# KiCad board RadCheck-SDRAM.kicad_pcb (continued)
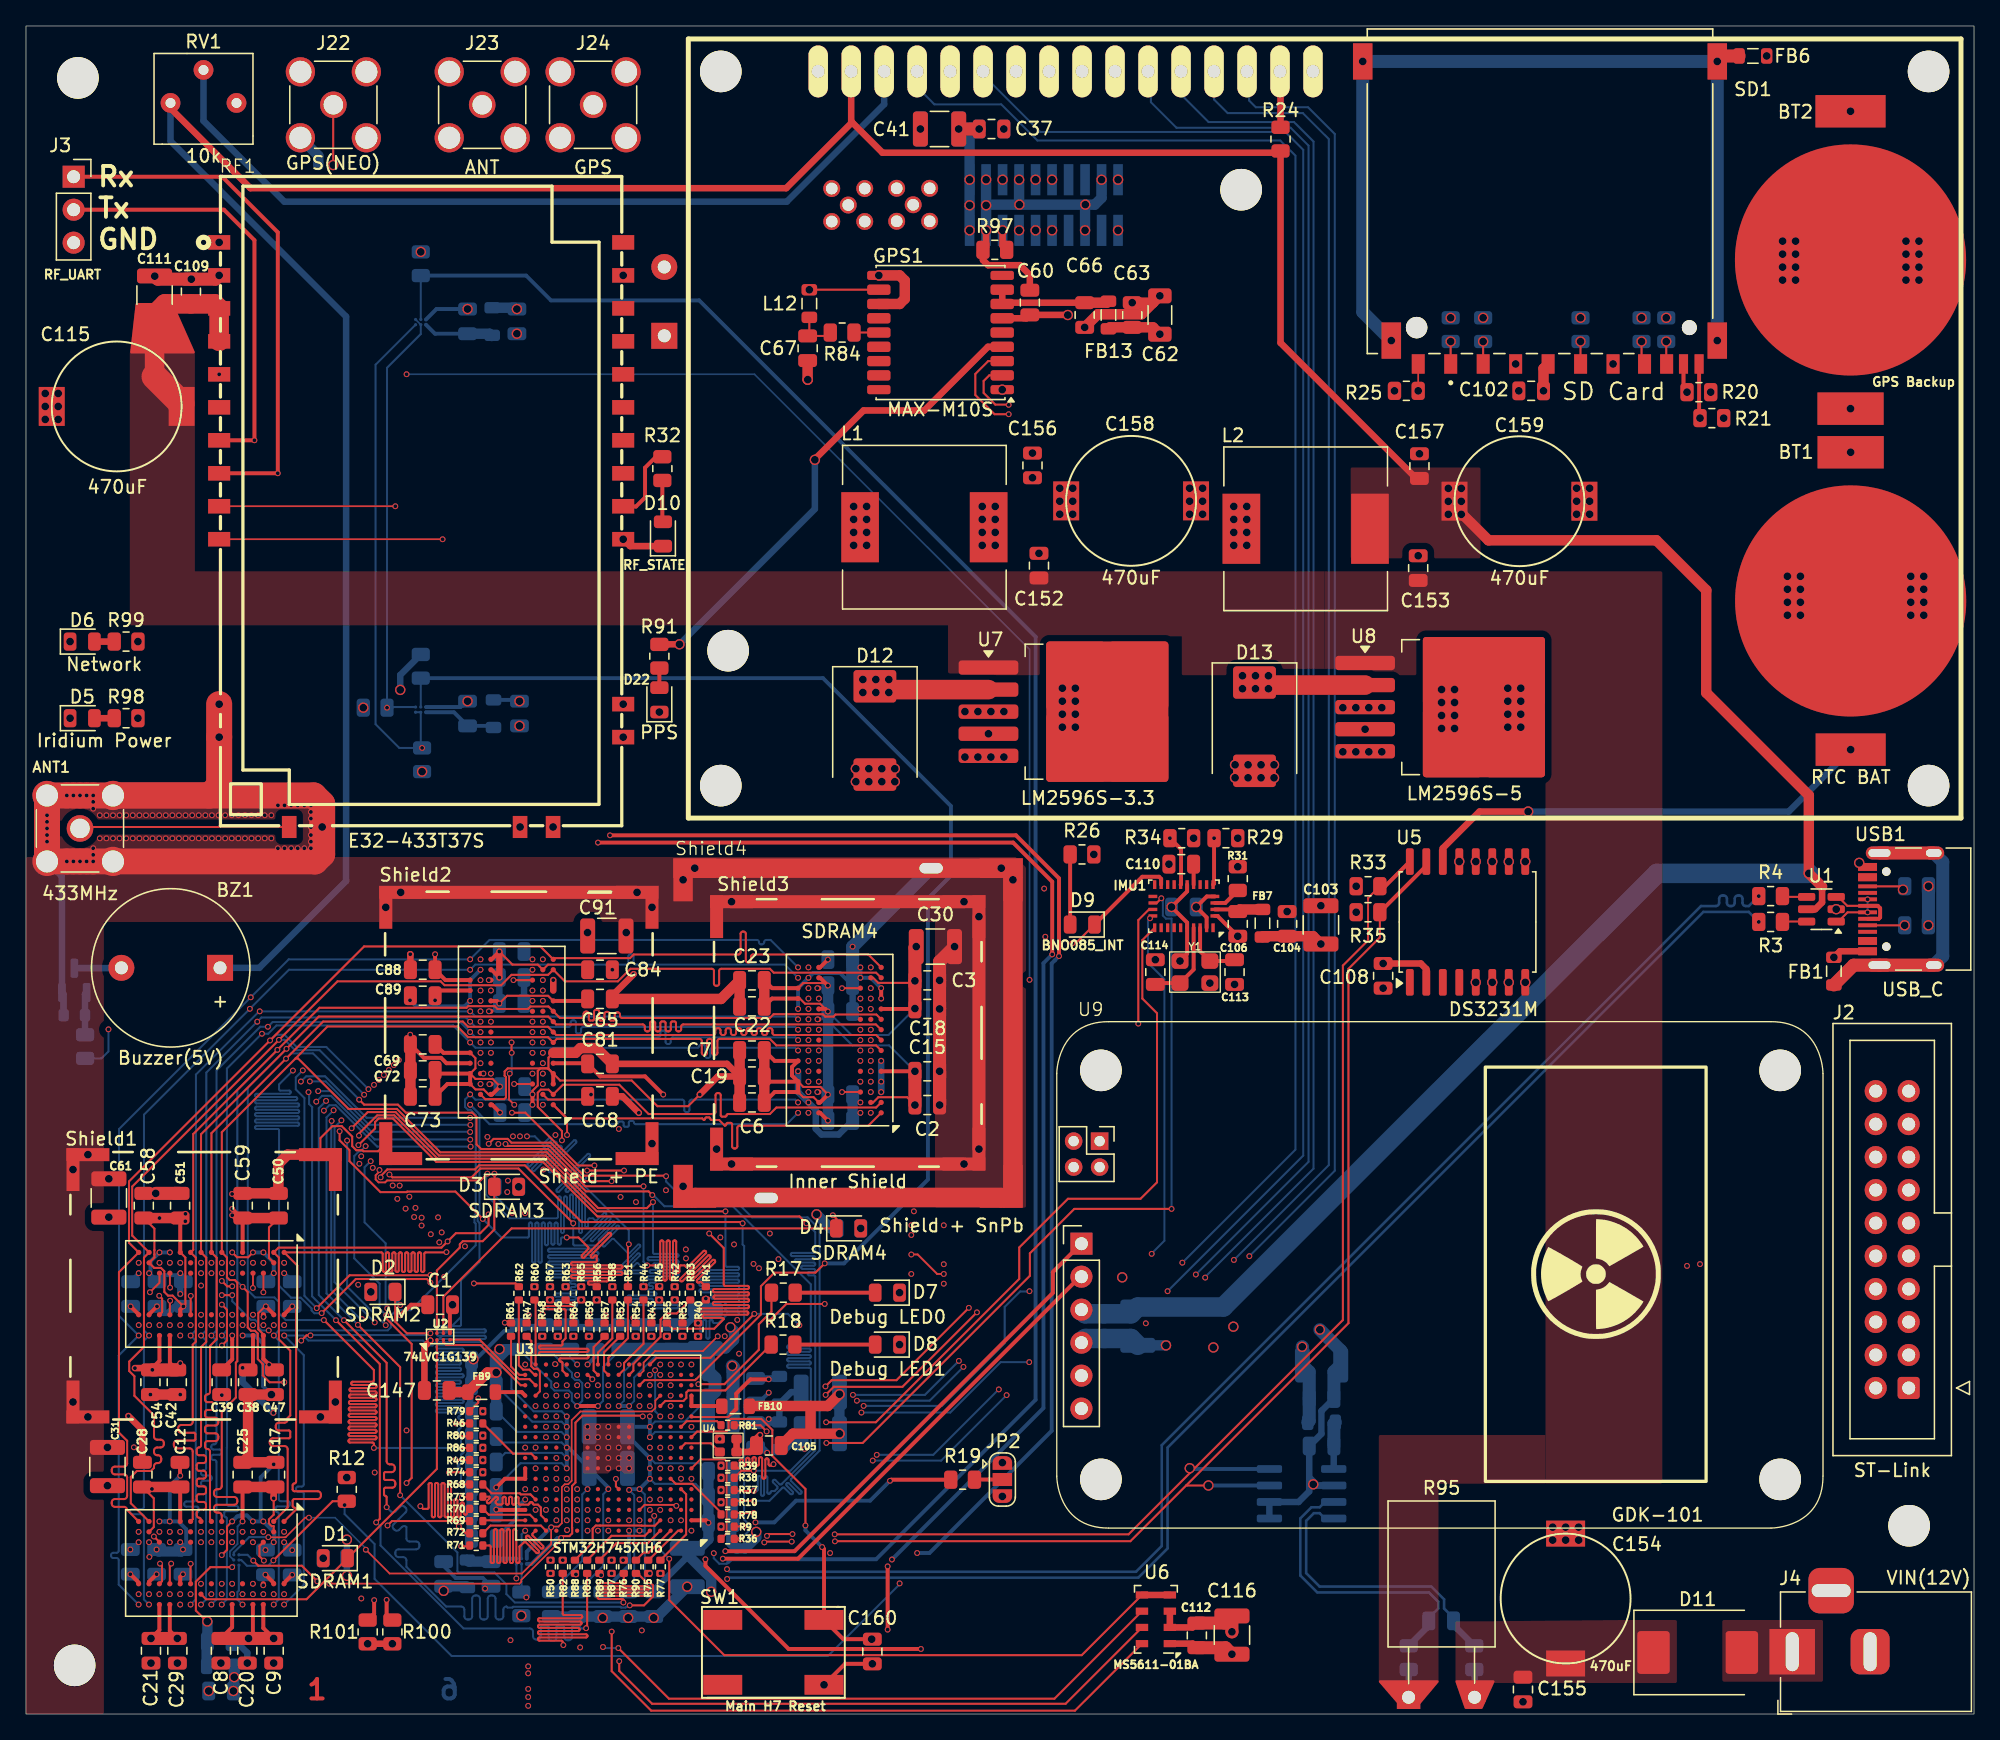
[diagram p0: board, top side]
## Routing (per net, layer and track width the routed paths; a pad name or vN(x,y) marks a point on that pad's centre or on a via; arc(x,y) is an arc through that point) (continued)
SDRAM_D22: length 162.1
  Top w0.157: SDRAM2.C7 18.28,30.59 v1(18.29,30.58) ; v1(27.84,14.52) 28.18,14.86 R69.2
  In3.Cu w0.142: v1(27.84,14.52) 27.24,15.12 27.24,15.37 arc(27.27,15.44) 27.33,15.46 27.37,15.46 arc(27.44,15.49) 27.47,15.56 27.47,15.6 arc(27.44,15.67) 27.37,15.7 25.9,15.7 arc(25.84,15.72) 25.81,15.79 25.81,15.84 arc(25.84,15.9) 25.9,15.93 27.15,15.93 arc(27.21,15.96) 27.24,16.02 27.24,16.07 arc(27.21,16.13) 27.15,16.16 25.4,16.16 arc(25.34,16.19) 25.31,16.25 25.31,16.3 arc(25.34,16.37) 25.4,16.39 27.82,16.39 arc(27.89,16.42) 27.92,16.49 27.92,16.53 arc(27.89,16.6) 27.82,16.63 25.35,16.63 arc(25.29,16.65) 25.26,16.72 25.26,16.77 arc(25.29,16.83) 25.35,16.86 27.82,16.86 arc(27.89,16.89) 27.92,16.95 27.92,17 arc(27.89,17.06) 27.82,17.09 25.35,17.09 arc(25.29,17.12) 25.26,17.18 25.26,17.23 arc(25.29,17.3) 25.35,17.32 27.82,17.32 arc(27.89,17.35) 27.92,17.42 27.92,17.46 arc(27.89,17.53) 27.82,17.56 25.35,17.56 arc(25.29,17.58) 25.26,17.65 25.26,17.7 arc(25.29,17.76) 25.35,17.79 27.82,17.79 arc(27.89,17.82) 27.92,17.88 27.92,17.93 arc(27.89,17.99) 27.82,18.02 27.1,18.02 arc(27.04,18.05) 27.01,18.11 27.01,18.16 arc(27.04,18.23) 27.1,18.25 27.82,18.25 arc(27.89,18.28) 27.92,18.35 27.92,18.39 arc(27.89,18.46) 27.82,18.49 27.33,18.49 arc(27.27,18.51) 27.24,18.58 27.24,18.63 arc(27.27,18.69) 27.33,18.72 27.82,18.72 arc(27.89,18.75) 27.92,18.81 27.92,18.86 arc(27.89,18.92) 27.82,18.95 27.1,18.95 arc(27.04,18.98) 27.01,19.04 27.01,19.09 arc(27.04,19.16) 27.1,19.18 27.82,19.18 arc(27.89,19.21) 27.92,19.28 27.92,19.32 arc(27.89,19.39) 27.82,19.42 26.55,19.42 arc(26.49,19.44) 26.46,19.51 26.46,19.56 arc(26.49,19.62) 26.55,19.65 27.82,19.65 arc(27.89,19.68) 27.92,19.74 27.92,19.79 arc(27.89,19.85) 27.82,19.88 26.95,19.88 arc(26.89,19.91) 26.86,19.97 26.86,20.02 arc(26.89,20.09) 26.95,20.11 27.82,20.11 arc(27.89,20.14) 27.92,20.21 27.92,20.25 arc(27.89,20.32) 27.82,20.35 27.33,20.35 arc(27.27,20.37) 27.24,20.44 27.24,20.49 arc(27.27,20.55) 27.33,20.58 27.82,20.58 arc(27.89,20.61) 27.92,20.67 27.92,20.72 arc(27.89,20.78) 27.82,20.81 27.1,20.81 arc(27.04,20.84) 27.01,20.9 27.01,20.95 arc(27.04,21.02) 27.1,21.04 27.82,21.04 arc(27.89,21.07) 27.92,21.14 27.92,21.18 arc(27.89,21.25) 27.82,21.28 26.55,21.28 arc(26.49,21.3) 26.46,21.37 26.46,21.42 arc(26.49,21.48) 26.55,21.51 27.82,21.51 arc(27.89,21.54) 27.92,21.6 27.92,21.65 arc(27.89,21.71) 27.82,21.74 26.55,21.74 arc(26.49,21.77) 26.46,21.83 26.46,21.88 arc(26.49,21.95) 26.55,21.97 27.82,21.97 arc(27.89,22) 27.92,22.07 27.92,22.11 arc(27.89,22.18) 27.82,22.21 26.55,22.21 arc(26.49,22.23) 26.46,22.3 26.46,22.35 arc(26.49,22.41) 26.55,22.44 27.82,22.44 arc(27.89,22.47) 27.92,22.53 27.92,22.58 arc(27.89,22.64) 27.82,22.67 26.55,22.67 arc(26.49,22.7) 26.46,22.76 26.46,22.81 arc(26.49,22.88) 26.55,22.9 27.82,22.9 arc(27.89,22.93) 27.92,23 27.92,23.04 arc(27.89,23.11) 27.82,23.14 26.55,23.14 arc(26.49,23.16) 26.46,23.23 26.46,23.28 arc(26.49,23.34) 26.55,23.37 27.82,23.37 arc(27.89,23.4) 27.92,23.46 27.92,23.51 arc(27.89,23.57) 27.82,23.6 26.55,23.6 arc(26.49,23.63) 26.46,23.69 26.46,23.74 arc(26.49,23.81) 26.55,23.83 27.15,23.83 arc(27.21,23.86) 27.24,23.93 27.24,39.48 ; 27.24,39.48 18.34,30.58 v1(18.29,30.58) 17.89,30.18 17.89,18.53 arc(17.93,18.42) 18.05,18.37 19.51,18.37 arc(19.62,18.32) 19.67,18.21 19.67,18.13 arc(19.62,18.02) 19.51,17.97 17.72,17.97 arc(17.61,17.92) 17.56,17.81 17.56,17.73 arc(17.61,17.62) 17.72,17.57 17.73,17.57 arc(17.84,17.52) 17.89,17.41 17.89,10.3 v1(18.27,9.91) ; 27.24,39.48 27.57,39.81 27.57,40.58 33.81,46.83 33.81,47.08 34.06,47.33 34.51,47.33 v1(35.69,48.51) 36.26,47.93 36.71,47.93 36.91,48.13 40.76,48.13 40.92,48.29 46.5,48.29 arc(46.62,48.34) 46.66,48.45 46.66,48.59 arc(46.71,48.7) 46.82,48.75 46.9,48.75 arc(47.02,48.7) 47.06,48.59 47.06,47 arc(47.11,46.88) 47.22,46.84 47.3,46.84 arc(47.42,46.88) 47.46,47 47.46,48.13 arc(47.51,48.25) 47.62,48.29 60.54,48.29 v1(60.94,47.9)
SDRAM_D23: length 159.2
  Top w0.157: v1(30.37,16.01) 30.58,15.8 30.91,15.8 arc(30.98,15.83) 31.01,15.9 31.01,17.69 arc(31.03,17.76) 31.1,17.79 31.15,17.79 arc(31.22,17.76) 31.25,17.69 31.25,15.26 arc(31.28,15.19) 31.35,15.16 31.4,15.16 arc(31.47,15.19) 31.5,15.26 31.5,17.69 arc(31.53,17.76) 31.6,17.79 31.65,17.79 arc(31.72,17.76) 31.74,17.69 31.74,15.26 arc(31.77,15.19) 31.84,15.16 31.89,15.16 arc(31.96,15.19) 31.99,15.26 31.99,17.69 arc(32.02,17.76) 32.09,17.79 32.14,17.79 arc(32.21,17.76) 32.24,17.69 32.24,15.26 arc(32.27,15.19) 32.34,15.16 32.39,15.16 arc(32.46,15.19) 32.48,15.26 32.48,17.69 arc(32.51,17.76) 32.58,17.79 32.63,17.79 arc(32.7,17.76) 32.73,17.69 32.73,15.26 arc(32.76,15.19) 32.83,15.16 32.88,15.16 arc(32.95,15.19) 32.98,15.26 32.98,16.44 arc(33.01,16.51) 33.08,16.54 33.13,16.54 arc(33.19,16.51) 33.22,16.44 33.22,15.26 arc(33.25,15.19) 33.32,15.16 33.37,15.16 arc(33.44,15.19) 33.47,15.26 33.47,16.19 arc(33.5,16.26) 33.57,16.29 33.62,16.29 arc(33.69,16.26) 33.72,16.19 33.72,15.46 arc(33.75,15.39) 33.82,15.36 33.86,15.36 arc(33.93,15.39) 33.96,15.46 33.96,15.7 arc(33.99,15.77) 34.06,15.8
  In3.Cu w0.142: v1(32.01,37.09) 30.27,35.35 30.27,33.32 arc(30.24,33.26) 30.18,33.23 30.07,33.23 arc(30,33.2) 29.97,33.14 29.97,33.09 arc(30,33.03) 30.07,33 30.42,33 arc(30.49,32.97) 30.52,32.91 30.52,32.86 arc(30.49,32.79) 30.42,32.77 30.07,32.77 arc(30,32.74) 29.97,32.67 29.97,32.63 arc(30,32.56) 30.07,32.53 30.42,32.53 arc(30.49,32.51) 30.52,32.44 30.52,32.39 arc(30.49,32.33) 30.42,32.3 30.07,32.3 arc(30,32.27) 29.97,32.21 29.97,32.16 arc(30,32.1) 30.07,32.07 30.42,32.07 arc(30.49,32.04) 30.52,31.98 30.52,31.93 arc(30.49,31.86) 30.42,31.84 30.07,31.84 arc(30,31.81) 29.97,31.74 29.97,31.7 arc(30,31.63) 30.07,31.6 30.42,31.6 arc(30.49,31.58) 30.52,31.51 30.52,31.46 arc(30.49,31.4) 30.42,31.37 30.07,31.37 arc(30,31.34) 29.97,31.28 29.97,31.23 arc(30,31.17) 30.07,31.14 30.42,31.14 arc(30.49,31.11) 30.52,31.05 30.52,31 arc(30.49,30.93) 30.42,30.91 30.07,30.91 arc(30,30.88) 29.97,30.81 29.97,30.77 arc(30,30.7) 30.07,30.67 30.42,30.67 arc(30.49,30.65) 30.52,30.58 30.52,30.53 arc(30.49,30.47) 30.42,30.44 30.07,30.44 arc(30,30.41) 29.97,30.35 29.97,30.3 arc(30,30.24) 30.07,30.21 30.42,30.21 arc(30.49,30.18) 30.52,30.12 30.52,30.07 arc(30.49,30) 30.42,29.98 30.07,29.98 arc(30,29.95) 29.97,29.88 29.97,29.84 arc(30,29.77) 30.07,29.74 30.42,29.74 arc(30.49,29.72) 30.52,29.65 30.52,29.6 arc(30.49,29.54) 30.42,29.51 30.07,29.51 arc(30,29.48) 29.97,29.42 29.97,29.37 arc(30,29.31) 30.07,29.28 30.42,29.28 arc(30.49,29.25) 30.52,29.19 30.52,29.14 arc(30.49,29.07) 30.42,29.05 30.07,29.05 arc(30,29.02) 29.97,28.95 29.97,28.91 arc(30,28.84) 30.07,28.81 30.42,28.81 arc(30.49,28.79) 30.52,28.72 30.52,28.67 arc(30.49,28.61) 30.42,28.58 30.07,28.58 arc(30,28.55) 29.97,28.49 29.97,28.44 arc(30,28.38) 30.07,28.35 30.42,28.35 arc(30.49,28.32) 30.52,28.26 30.52,28.21 arc(30.49,28.14) 30.42,28.12 30.07,28.12 arc(30,28.09) 29.97,28.02 29.97,27.98 arc(30,27.91) 30.07,27.88 30.42,27.88 arc(30.49,27.86) 30.52,27.79 30.52,27.74 arc(30.49,27.68) 30.42,27.65 30.07,27.65 arc(30,27.62) 29.97,27.56 29.97,27.51 arc(30,27.45) 30.07,27.42 30.42,27.42 arc(30.49,27.39) 30.52,27.33 30.52,27.28 arc(30.49,27.21) 30.42,27.19 30.07,27.19 arc(30,27.16) 29.97,27.09 29.97,27.05 arc(30,26.98) 30.07,26.95 30.42,26.95 arc(30.49,26.93) 30.52,26.86 30.52,26.81 arc(30.49,26.75) 30.42,26.72 30.07,26.72 arc(30,26.69) 29.97,26.63 29.97,26.58 arc(30,26.52) 30.07,26.49 30.42,26.49 arc(30.49,26.46) 30.52,26.4 30.52,26.35 arc(30.49,26.28) 30.42,26.26 30.07,26.26 arc(30,26.23) 29.97,26.16 29.97,26.12 arc(30,26.05) 30.07,26.02 30.42,26.02 arc(30.49,26) 30.52,25.93 30.52,25.88 arc(30.49,25.82) 30.42,25.79 30.07,25.79 arc(30,25.76) 29.97,25.7 29.97,25.65 arc(30,25.59) 30.07,25.56 30.42,25.56 arc(30.49,25.53) 30.52,25.47 30.52,25.42 arc(30.49,25.35) 30.42,25.33 30.07,25.33 arc(30,25.3) 29.97,25.23 29.97,25.19 arc(30,25.12) 30.07,25.09 30.42,25.09 arc(30.49,25.07) 30.52,25 30.52,24.95 arc(30.49,24.89) 30.42,24.86 30.07,24.86 arc(30,24.83) 29.97,24.77 29.97,24.72 arc(30,24.66) 30.07,24.63 30.42,24.63 arc(30.49,24.6) 30.52,24.54 30.52,24.49 arc(30.49,24.42) 30.42,24.4 30.07,24.4 arc(30,24.37) 29.97,24.3 29.97,24.26 arc(30,24.19) 30.07,24.16 30.42,24.16 arc(30.49,24.14) 30.52,24.07 30.52,24.02 arc(30.49,23.96) 30.42,23.93 30.07,23.93 arc(30,23.9) 29.97,23.84 29.97,23.79 arc(30,23.73) 30.07,23.7 30.42,23.7 arc(30.49,23.67) 30.52,23.61 30.52,23.56 arc(30.49,23.49) 30.42,23.47 30.07,23.47 arc(30,23.44) 29.97,23.37 29.97,23.33 arc(30,23.26) 30.07,23.23 30.42,23.23 arc(30.49,23.21) 30.52,23.14 30.52,23.09 arc(30.49,23.03) 30.42,23 30.07,23 arc(30,22.97) 29.97,22.91 29.97,22.86 arc(30,22.8) 30.07,22.77 30.42,22.77 arc(30.49,22.74) 30.52,22.68 30.52,22.63 arc(30.49,22.56) 30.42,22.54 30.07,22.54 arc(30,22.51) 29.97,22.44 29.97,22.4 arc(30,22.33) 30.07,22.3 30.42,22.3 arc(30.49,22.28) 30.52,22.21 30.52,22.16 arc(30.49,22.1) 30.42,22.07 30.07,22.07 arc(30,22.04) 29.97,21.98 29.97,21.93 arc(30,21.87) 30.07,21.84 30.42,21.84 arc(30.49,21.81) 30.52,21.75 30.52,21.7 arc(30.49,21.63) 30.42,21.61 30.07,21.61 arc(30,21.58) 29.97,21.51 29.97,21.47 arc(30,21.4) 30.07,21.37 30.42,21.37 arc(30.49,21.35) 30.52,21.28 30.52,21.23 arc(30.49,21.17) 30.42,21.14 30.07,21.14 arc(30,21.11) 29.97,21.05 29.97,21 arc(30,20.94) 30.07,20.91 30.42,20.91 arc(30.49,20.88) 30.52,20.82 30.52,20.77 arc(30.49,20.7) 30.42,20.68 30.07,20.68 arc(30,20.65) 29.97,20.58 29.97,20.54 arc(30,20.47) 30.07,20.44 30.42,20.44 arc(30.49,20.42) 30.52,20.35 30.52,20.3 arc(30.49,20.24) 30.42,20.21 30.07,20.21 arc(30,20.18) 29.97,20.12 29.97,20.07 arc(30,20.01) 30.07,19.98 30.42,19.98 arc(30.49,19.95) 30.52,19.89 30.52,19.84 arc(30.49,19.77) 30.42,19.75 30.07,19.75 arc(30,19.72) 29.97,19.65 29.97,19.61 arc(30,19.54) 30.07,19.51 30.42,19.51 arc(30.49,19.49) 30.52,19.42 30.52,19.37 arc(30.49,19.31) 30.42,19.28 30.07,19.28 arc(30,19.25) 29.97,19.19 29.97,19.14 arc(30,19.08) 30.07,19.05 30.42,19.05 arc(30.49,19.02) 30.52,18.96 30.52,18.91 arc(30.49,18.84) 30.42,18.82 30.07,18.82 arc(30,18.79) 29.97,18.72 29.97,18.68 arc(30,18.61) 30.07,18.58 30.42,18.58 arc(30.49,18.56) 30.52,18.49 30.52,18.44 arc(30.49,18.38) 30.42,18.35 30.07,18.35 arc(30,18.32) 29.97,18.26 29.97,18.21 arc(30,18.15) 30.07,18.12 30.42,18.12 arc(30.49,18.09) 30.52,18.03 30.52,17.98 arc(30.49,17.91) 30.42,17.89 30.07,17.89 arc(30,17.86) 29.97,17.79 29.97,17.75 arc(30,17.68) 30.07,17.65 30.42,17.65 arc(30.49,17.63) 30.52,17.56 30.52,17.51 arc(30.49,17.45) 30.42,17.42 30.36,17.42 arc(30.3,17.39) 30.27,17.33 30.27,17.28 arc(30.3,17.22) 30.36,17.19 30.42,17.19 arc(30.49,17.16) 30.52,17.1 30.52,17.05 arc(30.49,16.98) 30.42,16.96 30.36,16.96 arc(30.3,16.93) 30.27,16.86 30.27,16.82 arc(30.3,16.75) 30.36,16.72 30.42,16.72 arc(30.49,16.7) 30.52,16.63 30.52,16.58 arc(30.49,16.52) 30.42,16.49 30.36,16.49 arc(30.3,16.46) 30.27,16.4 30.27,16.11 v1(30.37,16.01)
  In4.Cu w0.129: v1(19.87,9.23) 19.49,9.61 19.49,16.84 arc(19.45,16.95) 19.33,17 18.46,17 arc(18.35,17.04) 18.3,17.16 18.3,17.24 arc(18.35,17.35) 18.46,17.4 19.33,17.4 arc(19.45,17.44) 19.49,17.56 19.49,29.56 v1(19.88,29.95) 24.87,29.95 v1(32.01,37.09) 35,40.08 v1(35,46.92) 36,45.92 52.5,45.92 arc(52.61,45.87) 52.66,45.76 52.66,45.16 arc(52.71,45.04) 52.82,45 52.9,45 arc(53.01,45.04) 53.06,45.16 53.06,45.76 arc(53.11,45.87) 53.22,45.92 59.87,45.92 v1(60.25,46.3)
SDRAM_D24: length 140.5
  Top w0.157: v1(33.51,12.91) 34.09,12.91
  In1.Cu w0.127: v1(65.05,46.3) 64.67,46.68 60.37,46.68 ; 53.22,46.68 40.04,46.68 v1(39.8,46.92) 39.8,44.3 v1(31.82,36.32) 30.25,34.75 v1(19.88,34.75) 19.47,34.34 19.47,22.03 ; v1(19.87,14.03) 19.47,14.44 19.47,15.21
  In1.Cu w0.129: 60.37,46.68 57.79,46.68 arc(57.68,46.63) 57.63,46.52 57.63,44.87 arc(57.58,44.76) 57.47,44.71 57.39,44.71 arc(57.28,44.76) 57.23,44.87 57.23,47.84 arc(57.18,47.95) 57.07,48 56.99,48 arc(56.88,47.95) 56.83,47.84 56.83,46.84 arc(56.78,46.73) 56.67,46.68 54.34,46.68 arc(54.23,46.63) 54.18,46.52 54.18,45.31 arc(54.13,45.2) 54.02,45.15 53.94,45.15 arc(53.83,45.2) 53.78,45.31 53.78,45.72 arc(53.73,45.83) 53.62,45.88 51.97,45.88 arc(51.86,45.93) 51.81,46.04 51.81,46.12 arc(51.86,46.23) 51.97,46.28 55.59,46.28 arc(55.7,46.33) 55.75,46.44 55.75,46.52 arc(55.7,46.63) 55.59,46.68 53.94,46.68 arc(53.83,46.73) 53.78,46.84 53.78,47.4 arc(53.73,47.51) 53.62,47.56 53.54,47.56 arc(53.43,47.51) 53.38,47.4 53.38,46.84 arc(53.33,46.73) 53.22,46.68 ; 19.47,22.03 19.47,16.89 arc(19.54,16.72) 19.71,16.65 20.86,16.65 arc(21.03,16.58) 21.1,16.41 21.1,16.29 arc(21.03,16.12) 20.86,16.05 20.31,16.05 arc(20.14,16.12) 20.07,16.29 20.07,16.75 arc(20,16.92) 19.83,16.99 19.71,16.99 arc(19.54,16.92) 19.47,16.75 19.47,16.29 arc(19.4,16.12) 19.23,16.05 18.73,16.05 arc(18.56,15.98) 18.49,15.81 18.49,15.69 arc(18.56,15.52) 18.73,15.45 19.23,15.45 arc(19.4,15.38) 19.47,15.21
  In3.Cu w0.142: v1(31.82,36.32) 31.66,36.16 arc(31.63,36.09) 31.66,36.03 31.67,36.02 arc(31.7,35.95) 31.67,35.89 31.64,35.85 arc(31.57,35.83) 31.5,35.85 31.49,35.86 arc(31.43,35.89) 31.36,35.86 30.75,35.25 arc(30.78,35.19) 30.85,35.16 31.26,35.16 arc(31.33,35.13) 31.35,35.07 31.35,35.02 arc(31.33,34.96) 31.26,34.93 30.6,34.93 arc(30.53,34.9) 30.5,34.84 30.5,34.79 arc(30.53,34.72) 30.6,34.7 30.66,34.7 arc(30.73,34.67) 30.75,34.6 30.75,34.56 arc(30.73,34.49) 30.66,34.46 30.6,34.46 arc(30.53,34.44) 30.5,34.37 30.5,34.32 arc(30.53,34.26) 30.6,34.23 30.66,34.23 arc(30.73,34.2) 30.75,34.14 30.75,34.09 arc(30.73,34.03) 30.66,34 30.6,34 arc(30.53,33.97) 30.5,33.91 30.5,33.86 arc(30.53,33.79) 30.6,33.77 30.66,33.77 arc(30.73,33.74) 30.75,33.67 30.75,33.63 arc(30.73,33.56) 30.66,33.53 30.6,33.53 arc(30.53,33.51) 30.5,33.44 30.5,33.39 arc(30.53,33.33) 30.6,33.3 30.66,33.3 arc(30.73,33.27) 30.75,33.21 30.75,32.88 arc(30.78,32.81) 30.85,32.79 30.86,32.79 arc(30.93,32.76) 30.95,32.69 30.95,32.65 arc(30.93,32.58) 30.86,32.55 30.85,32.55 arc(30.78,32.53) 30.75,32.46 30.75,20.21 arc(30.78,20.14) 30.85,20.11 31.16,20.11 arc(31.23,20.09) 31.25,20.02 31.25,19.97 arc(31.23,19.91) 31.16,19.88 30.85,19.88 arc(30.78,19.85) 30.75,19.79 30.75,19.74 arc(30.78,19.68) 30.85,19.65 31.16,19.65 arc(31.23,19.62) 31.25,19.56 31.25,19.51 arc(31.23,19.44) 31.16,19.42 30.85,19.42 arc(30.78,19.39) 30.75,19.32 30.75,19.28 arc(30.78,19.21) 30.85,19.18 31.16,19.18 arc(31.23,19.16) 31.25,19.09 31.25,19.04 arc(31.23,18.98) 31.16,18.95 30.85,18.95 arc(30.78,18.92) 30.75,18.86 30.75,18.81 arc(30.78,18.75) 30.85,18.72 31.16,18.72 arc(31.23,18.69) 31.25,18.63 31.25,18.58 arc(31.23,18.51) 31.16,18.49 30.85,18.49 arc(30.78,18.46) 30.75,18.39 30.75,18.35 arc(30.78,18.28) 30.85,18.25 31.11,18.25 arc(31.18,18.23) 31.2,18.16 31.2,18.11 arc(31.18,18.05) 31.11,18.02 30.85,18.02 arc(30.78,17.99) 30.75,17.93 30.75,15.9 arc(30.78,15.84) 30.85,15.81 31.11,15.81 arc(31.18,15.78) 31.2,15.72 31.2,15.67 arc(31.18,15.61) 31.11,15.58 30.85,15.58 arc(30.78,15.55) 30.75,15.49 31.05,15.19 arc(31.12,15.16) 31.18,15.19 31.44,15.45 arc(31.51,15.47) 31.57,15.45 31.6,15.41 arc(31.63,15.35) 31.6,15.28 31.35,15.02 arc(31.32,14.96) 31.35,14.89 31.38,14.86 arc(31.45,14.83) 31.51,14.86 31.88,15.22 arc(31.94,15.25) 32.01,15.22 32.04,15.19 arc(32.07,15.12) 32.04,15.06 31.68,14.7 arc(31.65,14.63) 31.68,14.56 31.71,14.53 arc(31.77,14.5) 31.84,14.53 33.12,15.81 arc(33.19,15.84) 33.25,15.81 33.29,15.78 arc(33.31,15.71) 33.29,15.65 32.01,14.37 arc(31.98,14.3) 32.01,14.23 32.04,14.2 arc(32.1,14.17) 32.17,14.2 33.45,15.48 arc(33.52,15.51) 33.58,15.48 33.62,15.45 arc(33.64,15.39) 33.62,15.32 32.33,14.04 arc(32.31,13.97) 32.33,13.91 33.33,12.91 v1(33.51,12.91)
SDRAM_D25: length 179.4
  Top w0.142: SDRAM2.C3 v1(18.28,32.48)
  Top w0.157: v1(18.32,11.81) 17.97,12.16 17.97,12.93 SDRAM1.C3 ; v1(33.33,14.45) 33.86,13.92 R72.2 ; v1(62.83,47.9) 62.84,47.9 SDRAM4.C3 ; SDRAM3.C3 v1(37.58,48.52)
  In1.Cu w0.127: v1(40.77,44.59) 38.78,42.6 38.78,40.66 34.14,36.02 v1(33.8,36.02) 31.97,34.19 26.71,34.19 v1(25.58,33.06)
  In2.Cu w0.127: 58.8,48.28 40.9,48.28 40.76,48.14 37.96,48.14 v1(37.58,48.52) 37.58,47.78 v1(40.77,44.59) ; v1(33.8,36.02) 35.2,34.62 35.2,33.89 arc(35.17,33.83) 35.11,33.8 33.33,33.8 arc(33.27,33.78) 33.24,33.72 33.24,33.67 arc(33.27,33.61) 33.33,33.59 37.07,33.59 arc(37.13,33.56) 37.15,33.5 37.15,33.46 arc(37.13,33.4) 37.07,33.37 35.03,33.37 arc(34.97,33.34) 34.94,33.28 34.94,33.24 arc(34.97,33.18) 35.03,33.15 37.07,33.15 arc(37.13,33.13) 37.15,33.07 37.15,33.02 arc(37.13,32.96) 37.07,32.94 34.88,32.94 arc(34.82,32.91) 34.79,32.85 34.79,32.81 arc(34.82,32.75) 34.88,32.72 37.07,32.72 arc(37.13,32.7) 37.15,32.63 37.15,32.59 arc(37.13,32.53) 37.07,32.5 33.33,32.5 arc(33.27,32.48) 33.24,32.42 33.24,32.37 arc(33.27,32.31) 33.33,32.29 37.07,32.29 arc(37.13,32.26) 37.15,32.2 37.15,32.16 arc(37.13,32.1) 37.07,32.07 33.38,32.07 arc(33.32,32.05) 33.29,31.98 33.29,31.94 arc(33.32,31.88) 33.38,31.85 37.07,31.85 arc(37.13,31.83) 37.15,31.77 37.15,31.72 arc(37.13,31.66) 37.07,31.64 33.53,31.64 arc(33.47,31.61) 33.44,31.55 33.44,31.51 arc(33.47,31.45) 33.53,31.42 37.07,31.42 arc(37.13,31.4) 37.15,31.34 37.15,31.29 arc(37.13,31.23) 37.07,31.21 33.43,31.21 arc(33.37,31.18) 33.34,31.12 33.34,31.08 arc(33.37,31.01) 33.43,30.99 37.07,30.99 arc(37.13,30.96) 37.15,30.9 37.15,30.86 arc(37.13,30.8) 37.07,30.77 33.38,30.77 arc(33.32,30.75) 33.29,30.69 33.29,30.64 arc(33.32,30.58) 33.38,30.56 36.42,30.56 arc(36.48,30.53) 36.5,30.47 36.5,30.43 arc(36.48,30.36) 36.42,30.34 33.93,30.34 arc(33.87,30.31) 33.84,30.25 33.84,30.21 arc(33.87,30.15) 33.93,30.12 35.11,30.12 arc(35.17,30.1) 35.2,30.04 35.2,23.87 33.94,22.62 33.94,15.07 v1(33.33,14.45) ; v1(25.58,33.06) 24.3,31.78 18.98,31.78 v1(18.28,32.48) 17.88,32.08 17.88,24.26 ; 62.76,47.98 v1(62.83,47.9) ; v1(18.32,11.81) 17.88,12.25 17.88,20.07
  In2.Cu w0.129: 17.88,24.26 17.88,23.93 arc(17.83,23.82) 17.72,23.77 17.49,23.77 arc(17.38,23.73) 17.33,23.61 17.33,23.53 arc(17.38,23.42) 17.49,23.37 18.47,23.37 arc(18.58,23.33) 18.63,23.21 18.63,23.13 arc(18.58,23.02) 18.47,22.97 17.49,22.97 arc(17.38,22.93) 17.33,22.81 17.33,22.73 arc(17.38,22.62) 17.49,22.57 19.72,22.57 arc(19.83,22.53) 19.88,22.41 19.88,22.33 arc(19.83,22.22) 19.72,22.17 17.78,22.17 arc(17.71,22.14) 17.68,22.07 17.68,21.87 arc(17.71,21.8) 17.78,21.77 19.72,21.77 arc(19.83,21.73) 19.88,21.61 19.88,21.53 arc(19.83,21.42) 19.72,21.37 17.78,21.37 arc(17.71,21.34) 17.68,21.27 17.68,21.07 arc(17.71,21) 17.78,20.97 arc(17.85,20.94) 17.88,20.87 17.88,20.78 arc(17.84,20.67) 17.73,20.62 arc(17.62,20.58) 17.57,20.47 17.57,20.38 arc(17.62,20.27) 17.73,20.22 arc(17.84,20.18) 17.88,20.07 ; 62.76,47.98 62.45,48.28 62.12,48.28 arc(62.01,48.33) 61.96,48.44 61.96,48.67 arc(61.92,48.78) 61.8,48.83 61.72,48.83 arc(61.61,48.78) 61.56,48.67 61.56,48.44 arc(61.52,48.33) 61.4,48.28 59.48,48.28 arc(59.38,48.32) 59.34,48.42 arc(59.3,48.52) 59.2,48.56 59.08,48.56 arc(58.98,48.52) 58.94,48.42 arc(58.9,48.32) 58.8,48.28
SDRAM_D26: length 172.3
  Top w0.157: SDRAM1.A1 20.8,15.76 arc(20.76,15.85) 20.67,15.89 arc(20.57,15.93) 20.53,16.02 20.53,16.42 arc(20.57,16.52) 20.67,16.56 22.47,16.56 arc(22.64,16.63) 22.71,16.8 22.71,16.92 arc(22.64,17.09) 22.47,17.16 20.67,17.16 arc(20.57,17.2) 20.53,17.29 20.53,17.62 arc(20.57,17.72) 20.67,17.76 arc(20.76,17.8) 20.8,17.89 20.8,31.14 20.9,31.23 20.9,34.53 SDRAM2.A1 27.37,35.55 arc(27.44,35.52) 27.47,35.45 27.47,34.15 arc(27.5,34.08) 27.57,34.05 27.61,34.05 arc(27.68,34.08) 27.71,34.15 27.71,35.45 arc(27.74,35.52) 27.81,35.55 27.86,35.55 arc(27.93,35.52) 27.96,35.45 27.96,34.15 arc(27.99,34.08) 28.06,34.05 28.11,34.05 arc(28.18,34.08) 28.21,34.15 28.21,35.45 arc(28.24,35.52) 28.31,35.55 28.35,35.55 arc(28.42,35.52) 28.45,35.45 28.45,34.15 arc(28.48,34.08) 28.55,34.05 28.6,34.05 arc(28.67,34.08) 28.7,34.15 28.7,35.45 arc(28.73,35.52) 28.8,35.55 28.85,35.55 arc(28.92,35.52) 28.95,35.45 28.95,34.15 arc(28.97,34.08) 29.04,34.05 29.09,34.05 arc(29.16,34.08) 29.19,34.15 29.19,35.45 arc(29.22,35.52) 29.29,35.55 29.34,35.55 arc(29.41,35.52) 29.44,35.45 29.44,34.15 arc(29.47,34.08) 29.54,34.05 29.59,34.05 arc(29.66,34.08) 29.69,34.15 29.69,35.45 arc(29.71,35.52) 29.78,35.55 29.83,35.55 arc(29.9,35.52) 29.93,35.45 29.93,34.15 arc(29.96,34.08) 30.03,34.05 30.08,34.05 arc(30.15,34.08) 30.18,34.15 30.18,35.45 arc(30.21,35.52) 30.28,35.55 30.33,35.55 arc(30.4,35.52) 30.42,35.45 30.42,34.15 arc(30.45,34.08) 30.52,34.05 30.57,34.05 arc(30.64,34.08) 30.67,34.15 30.67,35.45 arc(30.7,35.52) 30.77,35.55 32.35,35.55 v1(32.38,35.57) ; v1(41.66,44.59) 41.66,45.86 SDRAM3.A1 41.65,45.87 52.07,45.87 52.19,45.75 arc(52.26,45.78) 52.29,45.85 arc(52.32,45.92) 52.39,45.95 52.59,45.95 arc(52.66,45.92) 52.69,45.85 arc(52.72,45.78) 52.79,45.75 53.37,45.75 53.81,45.31 arc(53.89,45.34) 53.92,45.42 arc(53.95,45.49) 54.03,45.53 54.26,45.53 arc(54.34,45.49) 54.37,45.42 54.37,43.72 arc(54.42,43.6) 54.53,43.56 54.61,43.56 arc(54.73,43.6) 54.77,43.72 54.77,45.15 arc(54.82,45.26) 54.93,45.31 64.86,45.31 SDRAM4.A1 ; v1(33.56,16.7) 34.12,16.7
  In1.Cu w0.127: v1(41.66,44.59) 41.65,44.58 41.65,41.78 v1(38.43,38.57)
  In3.Cu w0.142: 33.56,16.64 33.38,16.82 arc(33.32,16.84) 33.25,16.82 31.97,15.53 arc(31.9,15.51) 31.84,15.53 31.81,15.57 arc(31.78,15.63) 31.81,15.7 33.3,17.19 arc(33.33,17.26) 33.3,17.32 33.27,17.36 arc(33.2,17.38) 33.14,17.36 31.64,15.86 arc(31.58,15.83) 31.51,15.86 31.48,15.89 arc(31.45,15.96) 31.48,16.03 33.08,17.63 arc(33.11,17.69) 33.08,17.76 33.04,17.79 arc(32.98,17.82) 32.91,17.79 31.31,16.19 arc(31.25,16.16) 31.18,16.19 31.15,16.22 arc(31.12,16.29) 31.15,16.35 32.82,18.03 arc(32.85,18.09) 32.82,18.16 32.79,18.19 arc(32.72,18.22) 32.66,18.19 31.2,16.73 arc(31.13,16.7) 31.06,16.73 31.03,16.76 arc(31,16.83) 31.03,16.9 32.31,18.18 arc(32.34,18.24) 32.31,18.31 32.28,18.34 arc(32.22,18.37) 32.15,18.34 31.19,17.38 arc(31.12,17.35) 31.05,17.38 31.02,17.41 arc(30.99,17.48) 31.02,17.54 31.77,18.3 arc(31.8,18.36) 31.77,18.43 31.53,18.67 31.53,20.43 arc(31.51,20.49) 31.44,20.52 31.13,20.52 arc(31.06,20.55) 31.03,20.61 31.03,20.66 arc(31.06,20.73) 31.13,20.75 31.44,20.75 arc(31.51,20.78) 31.53,20.85 31.53,20.89 arc(31.51,20.96) 31.44,20.99 31.13,20.99 arc(31.06,21.01) 31.03,21.08 31.03,21.12 arc(31.06,21.19) 31.13,21.22 31.44,21.22 arc(31.51,21.24) 31.53,21.31 31.53,21.36 arc(31.51,21.42) 31.44,21.45 31.13,21.45 arc(31.06,21.48) 31.03,21.54 31.03,21.59 arc(31.06,21.66) 31.13,21.68 31.44,21.68 arc(31.51,21.71) 31.53,21.78 31.53,21.82 arc(31.51,21.89) 31.44,21.92 31.13,21.92 arc(31.06,21.94) 31.03,22.01 31.03,22.05 arc(31.06,22.12) 31.13,22.15 31.44,22.15 arc(31.51,22.17) 31.53,22.24 31.53,22.29 arc(31.51,22.35) 31.44,22.38 31.13,22.38 arc(31.06,22.41) 31.03,22.47 31.03,22.52 arc(31.06,22.59) 31.13,22.61 31.44,22.61 arc(31.51,22.64) 31.53,22.71 31.53,22.75 arc(31.51,22.82) 31.44,22.85 31.13,22.85 arc(31.06,22.87) 31.03,22.94 31.03,22.98 arc(31.06,23.05) 31.13,23.08 31.44,23.08 arc(31.51,23.1) 31.53,23.17 31.53,23.22 arc(31.51,23.28) 31.44,23.31 31.13,23.31 arc(31.06,23.34) 31.03,23.4 31.03,23.45 arc(31.06,23.52) 31.13,23.54 31.44,23.54 arc(31.51,23.57) 31.53,23.64 31.53,23.68 arc(31.51,23.75) 31.44,23.78 31.13,23.78 arc(31.06,23.8) 31.03,23.87 31.03,23.91 arc(31.06,23.98) 31.13,24.01 31.44,24.01 arc(31.51,24.03) 31.53,24.1 31.53,24.15 arc(31.51,24.21) 31.44,24.24 31.13,24.24 arc(31.06,24.27) 31.03,24.33 31.03,24.38 arc(31.06,24.45) 31.13,24.47 31.44,24.47 arc(31.51,24.5) 31.53,24.57 31.53,24.61 arc(31.51,24.68) 31.44,24.71 31.13,24.71 arc(31.06,24.73) 31.03,24.8 31.03,24.84 arc(31.06,24.91) 31.13,24.94 31.44,24.94 arc(31.51,24.96) 31.53,25.03 31.53,25.08 arc(31.51,25.14) 31.44,25.17 31.13,25.17 arc(31.06,25.2) 31.03,25.26 31.03,25.31 arc(31.06,25.38) 31.13,25.4 31.44,25.4 arc(31.51,25.43) 31.53,25.5 31.53,25.54 arc(31.51,25.61) 31.44,25.64 31.13,25.64 arc(31.06,25.66) 31.03,25.73 31.03,25.77 arc(31.06,25.84) 31.13,25.87 31.44,25.87 arc(31.51,25.89) 31.53,25.96 31.53,26.01 arc(31.51,26.07) 31.44,26.1 31.13,26.1 arc(31.06,26.13) 31.03,26.19 31.03,26.24 arc(31.06,26.31) 31.13,26.33 31.44,26.33 arc(31.51,26.36) 31.53,26.43 31.53,26.47 arc(31.51,26.54) 31.44,26.57 31.13,26.57 arc(31.06,26.59) 31.03,26.66 31.03,26.7 arc(31.06,26.77) 31.13,26.8 31.44,26.8 arc(31.51,26.82) 31.53,26.89 31.53,26.94 arc(31.51,27) 31.44,27.03 31.13,27.03 arc(31.06,27.06) 31.03,27.12 31.03,27.17 arc(31.06,27.24) 31.13,27.26 31.44,27.26 arc(31.51,27.29) 31.53,27.36 31.53,27.4 arc(31.51,27.47) 31.44,27.5 31.13,27.5 arc(31.06,27.52) 31.03,27.59 31.03,27.63 arc(31.06,27.7) 31.13,27.73 31.44,27.73 arc(31.51,27.75) 31.53,27.82 31.53,27.87 arc(31.51,27.93) 31.44,27.96 31.13,27.96 arc(31.06,27.99) 31.03,28.05 31.03,28.1 arc(31.06,28.17) 31.13,28.19 31.44,28.19 arc(31.51,28.22) 31.53,28.29 31.53,29.74 arc(31.51,29.81) 31.44,29.84 31.13,29.84 arc(31.06,29.86) 31.03,29.93 31.03,29.98 arc(31.06,30.04) 31.13,30.07 31.44,30.07 arc(31.51,30.1) 31.53,30.16 31.53,30.21 arc(31.51,30.28) 31.44,30.3 31.13,30.3 arc(31.06,30.33) 31.03,30.4 31.03,30.44 arc(31.06,30.51) 31.13,30.54 31.44,30.54 arc(31.51,30.56) 31.53,30.63 31.53,30.67 arc(31.51,30.74) 31.44,30.77 31.13,30.77 arc(31.06,30.79) 31.03,30.86 31.03,30.91 arc(31.06,30.97) 31.13,31 31.44,31 arc(31.51,31.03) 31.53,31.09 31.53,31.14 arc(31.51,31.21) 31.44,31.23 31.13,31.23 arc(31.06,31.26) 31.03,31.33 31.03,31.37 arc(31.06,31.44) 31.13,31.47 31.44,31.47 arc(31.51,31.49) 31.53,31.56 31.53,31.6 arc(31.51,31.67) 31.44,31.7 31.13,31.7 arc(31.06,31.72) 31.03,31.79 31.03,31.84 arc(31.06,31.9) 31.13,31.93 31.44,31.93 arc(31.51,31.96) 31.53,32.02 31.53,32.07 arc(31.51,32.14) 31.44,32.16 31.13,32.16 arc(31.06,32.19) 31.03,32.26 31.03,32.3 arc(31.06,32.37) 31.13,32.4 31.44,32.4 arc(31.51,32.42) 31.53,32.49 31.53,32.53 arc(31.51,32.6) 31.44,32.63 31.33,32.63 arc(31.26,32.65) 31.23,32.72 31.23,32.77 arc(31.26,32.83) 31.33,32.86 31.44,32.86 arc(31.51,32.89) 31.53,32.95 31.53,34.13 arc(31.51,34.2) 31.44,34.22 31.08,34.22 arc(31.01,34.25) 30.98,34.32 30.98,34.36 arc(31.01,34.43) 31.08,34.46 31.44,34.46 arc(31.51,34.48) 31.53,34.55 31.53,34.73 31.73,34.93 arc(31.76,35) 31.73,35.06 31.4,35.39 arc(31.38,35.46) 31.4,35.52 31.44,35.56 arc(31.5,35.58) 31.57,35.56 32.18,34.95 arc(32.25,34.92) 32.31,34.95 32.34,34.98 arc(32.37,35.04) 32.34,35.11 32.19,35.26 arc(32.17,35.33) 32.19,35.39 v1(32.38,35.57)
  In3.Cu w0.157: v1(33.56,16.7) 33.56,16.69 33.56,16.64
  In4.Cu w0.129: v1(32.38,35.57) 34.54,37.74 35.43,37.74 36.67,38.99 36.67,40.36 36.89,40.58 37.22,40.58 37.44,40.35 37.44,39.56 v1(38.43,38.57)
